# KiCad board ddr5-testboard.kicad_pcb (continued)
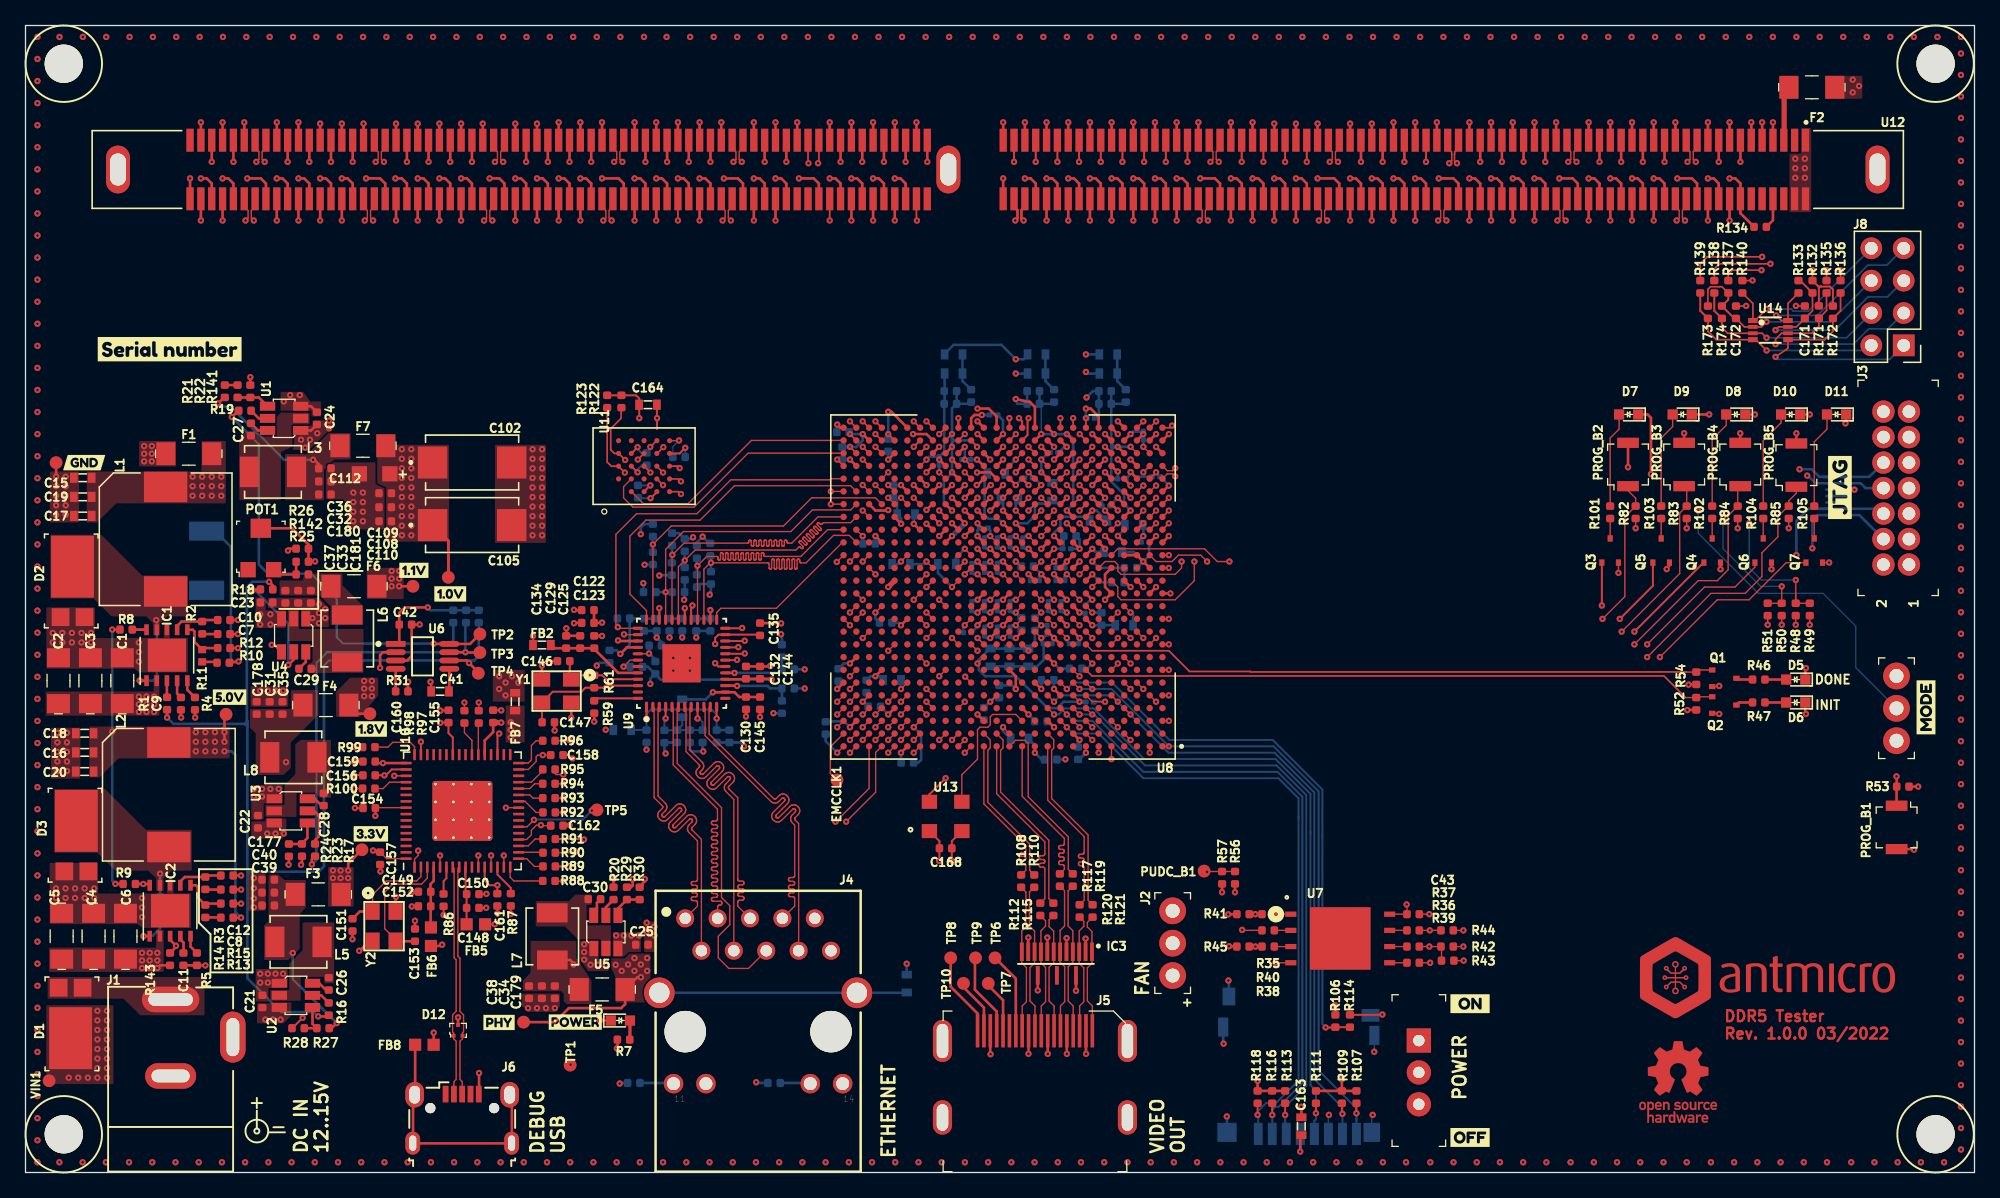
[diagram p0: board, top side]
## Routing (per net, layer and track width the routed paths; a pad name or vN(x,y) marks a point on that pad's centre or on a via; arc(x,y) is an arc through that point) (continued)
DQS7_B_P: length 73.2
  Top w0.1: v1(26.6,74.7) 26.8,74.9 26.8,75.48 26.5,75.78 U12.272
  Top w0.11: U8.T24 v1(65.64,47.94)
  In9.Cu w0.102: v1(65.64,47.94) 65.25,47.55 65.25,47.09 64.8,46.64 63.95,46.64 52.45,58.14 42.7,58.14 34.74,66.1 34.72,66.11 34.7,66.12 34.68,66.13 34.66,66.13 34.64,66.12 34.61,66.11 34.6,66.1 34.47,65.97 34.42,65.93 34.35,65.9 34.29,65.88 34.22,65.88 34.15,65.9 34.09,65.93 34.03,65.97 34.01,66 33.96,66.05 33.93,66.12 33.92,66.18 33.92,66.25 33.93,66.32 33.96,66.38 34.01,66.44 34.55,66.98 34.56,67 34.57,67.02 34.58,67.04 34.58,67.06 34.57,67.09 34.56,67.11 34.55,67.12 34.53,67.14 34.51,67.15 34.49,67.15 34.47,67.15 34.45,67.15 34.42,67.14 34.41,67.12 33.86,66.58 33.81,66.54 33.75,66.51 33.68,66.49 33.61,66.49 33.54,66.51 33.48,66.54 33.43,66.58 33.4,66.61 33.36,66.66 33.33,66.72 33.31,66.79 33.31,66.86 33.33,66.93 33.36,66.99 33.4,67.04 33.94,67.59 33.96,67.6 33.97,67.63 33.97,67.65 33.97,67.67 33.97,67.69 33.96,67.71 33.94,67.73 33.93,67.74 33.91,67.75 33.88,67.76 33.86,67.76 33.84,67.75 33.82,67.74 33.8,67.73 33.26,67.19 33.2,67.14 33.14,67.11 33.07,67.1 33,67.1 32.94,67.11 32.87,67.14 32.82,67.19 32.79,67.21 32.75,67.27 32.72,67.33 32.7,67.4 32.7,67.47 32.72,67.53 32.75,67.6 32.79,67.65 33.34,68.19 33.35,68.21 33.36,68.23 33.37,68.25 33.37,68.28 33.36,68.3 33.35,68.32 33.34,68.34 33.32,68.35 33.3,68.36 33.28,68.37 33.25,68.37 33.23,68.36 33.21,68.35 33.19,68.34 32.65,67.79 32.59,67.75 32.53,67.72 32.47,67.71 32.4,67.71 32.33,67.72 32.27,67.75 32.21,67.79 32.19,67.82 32.14,67.87 32.11,67.94 32.1,68 32.1,68.07 32.11,68.14 32.14,68.2 32.19,68.26 32.73,68.8 32.74,68.82 32.75,68.84 32.76,68.86 32.76,68.88 32.75,68.91 32.74,68.93 32.73,68.94 32.71,68.96 32.69,68.97 32.67,68.97 32.65,68.97 32.62,68.97 32.6,68.96 32.59,68.94 32.04,68.4 31.99,68.36 31.93,68.33 31.86,68.31 31.79,68.31 31.72,68.33 31.66,68.36 31.61,68.4 31.58,68.43 31.54,68.48 31.51,68.54 31.49,68.61 31.49,68.68 31.51,68.75 31.54,68.81 31.58,68.86 32.12,69.41 32.14,69.43 32.15,69.45 32.15,69.47 32.15,69.49 32.15,69.51 32.14,69.53 32.12,69.55 32.1,69.57 32.08,69.58 32.06,69.58 32.04,69.58 32.02,69.58 32,69.57 31.98,69.55 31.43,69.01 31.38,68.96 31.32,68.93 31.25,68.92 31.18,68.92 31.11,68.93 31.05,68.96 31,69.01 30.97,69.03 30.93,69.09 30.9,69.15 30.88,69.22 30.88,69.29 30.9,69.35 30.93,69.42 30.97,69.47 31.52,70.02 31.53,70.03 31.54,70.05 31.54,70.08 31.54,70.1 31.54,70.12 31.53,70.14 31.52,70.16 31.5,70.17 31.48,70.18 31.45,70.19 31.43,70.19 31.41,70.18 31.39,70.17 31.37,70.16 30.83,69.61 30.77,69.57 30.71,69.54 30.64,69.53 30.57,69.53 30.51,69.54 30.45,69.57 30.39,69.61 30.36,69.64 30.32,69.7 30.29,69.76 30.28,69.83 30.28,69.89 30.29,69.96 30.32,70.02 30.36,70.08 30.91,70.62 30.92,70.64 30.93,70.66 30.94,70.68 30.94,70.71 30.93,70.73 30.92,70.75 30.91,70.77 30.89,70.78 30.87,70.79 30.85,70.8 30.83,70.8 30.8,70.79 30.78,70.78 30.76,70.77 30.22,70.22 30.17,70.18 30.1,70.15 30.04,70.13 29.97,70.13 29.9,70.15 29.84,70.18 29.78,70.22 29.76,70.25 29.71,70.3 29.68,70.37 29.67,70.43 29.67,70.5 29.68,70.57 29.71,70.63 29.76,70.69 30.3,71.23 30.32,71.25 30.33,71.27 30.33,71.29 30.33,71.31 30.33,71.33 30.32,71.36 30.3,71.37 30.28,71.39 30.26,71.4 30.24,71.4 30.22,71.4 30.2,71.4 30.18,71.39 30.16,71.37 29.61,70.83 29.56,70.79 29.5,70.76 29.43,70.74 29.36,70.74 29.29,70.76 29.23,70.79 29.18,70.83 29.15,70.86 29.11,70.91 29.08,70.97 29.06,71.04 29.06,71.11 29.08,71.18 29.11,71.24 29.15,71.29 29.69,71.84 29.71,71.85 29.72,71.87 29.72,71.9 29.72,71.92 29.72,71.94 29.71,71.96 29.69,71.98 29.68,71.99 29.66,72 29.63,72.01 29.61,72.01 29.59,72 29.57,71.99 29.55,71.98 29.01,71.44 28.95,71.39 28.89,71.36 28.82,71.35 28.75,71.35 28.69,71.36 28.62,71.39 28.57,71.44 28.54,71.46 28.5,71.52 28.47,71.58 28.45,71.65 28.45,71.72 28.47,71.78 28.5,71.85 28.54,71.9 28.67,72.03 28.68,72.04 28.69,72.06 28.7,72.09 28.7,72.11 28.69,72.13 28.68,72.15 28.67,72.17 26.81,74.03 26.81,74.49 v1(26.6,74.7)
DQS8_A_N: length 53.5
  Top w0.1: v1(102.05,74.7) 101.85,74.9 101.85,75.48 102.15,75.78 U12.189
  Top w0.11: U8.J16 v1(74.64,40.94)
  In9.Cu w0.102: v1(102.05,74.7) 101.84,74.49 101.84,60.43 85.61,44.2 85.61,42.25 84.55,41.19 75.35,41.19 75.21,41.33 75.02,41.33 v1(74.64,40.94)
DQS8_A_P: length 53.5
  Top w0.1: v1(101.4,74.7) 101.6,74.9 101.6,75.48 101.3,75.78 U12.190
  Top w0.11: U8.J15 v1(74.64,41.94)
  In9.Cu w0.102: v1(101.4,74.7) 101.61,74.49 101.61,60.52 95.33,54.24 95.31,54.23 95.29,54.22 95.27,54.21 95.25,54.21 95.23,54.22 95.21,54.23 95.19,54.24 95.14,54.29 95.12,54.31 95.1,54.32 95.08,54.32 95.05,54.32 95.03,54.32 95.01,54.31 94.99,54.29 94.98,54.28 94.97,54.25 94.97,54.23 94.97,54.21 94.97,54.19 94.98,54.17 94.99,54.15 95.05,54.1 95.06,54.08 95.07,54.06 95.07,54.04 95.07,54.02 95.07,53.99 95.06,53.97 95.05,53.95 85.39,44.3 85.39,42.35 84.45,41.41 75.45,41.41 75.31,41.55 75.02,41.55 v1(74.64,41.94)
DQS8_B_N: length 77.3
  Top w0.1: v1(17.9,74.7) 17.7,74.9 17.7,75.48 18,75.78 U12.282
  Top w0.11: U8.L25 v1(65.64,43.94)
  In9.Cu w0.102: v1(65.64,43.94) 65.25,44.33 65.25,44.66 53.8,56.11 42.8,56.11 25.8,73.11 24.88,73.11 24.81,73.11 24.74,73.08 24.69,73.05 24.64,73 24.6,72.94 24.58,72.87 24.57,72.8 24.57,72.6 24.57,72.58 24.56,72.56 24.55,72.54 24.53,72.52 24.51,72.51 24.49,72.5 24.47,72.5 24.44,72.5 24.42,72.51 24.4,72.52 24.39,72.54 24.38,72.56 24.37,72.58 24.37,72.6 24.37,73.41 24.36,73.48 24.34,73.55 24.3,73.61 24.25,73.66 24.19,73.69 24.13,73.72 24.06,73.72 24.02,73.72 23.95,73.72 23.89,73.69 23.83,73.66 23.78,73.61 23.74,73.55 23.72,73.48 23.71,73.41 23.71,72.6 23.71,72.58 23.7,72.56 23.69,72.54 23.67,72.52 23.65,72.51 23.63,72.5 23.61,72.5 23.59,72.5 23.56,72.51 23.55,72.52 23.53,72.54 23.52,72.56 23.51,72.58 23.51,72.6 23.51,73.41 23.5,73.48 23.48,73.55 23.44,73.61 23.39,73.66 23.33,73.69 23.27,73.72 23.2,73.72 23.16,73.72 23.09,73.72 23.03,73.69 22.97,73.66 22.92,73.61 22.88,73.55 22.86,73.48 22.85,73.41 22.85,72.6 22.85,72.58 22.84,72.56 22.83,72.54 22.81,72.52 22.79,72.51 22.77,72.5 22.75,72.5 22.73,72.5 22.71,72.51 22.69,72.52 22.67,72.54 22.66,72.56 22.65,72.58 22.65,72.6 22.65,73.41 22.64,73.48 22.62,73.55 22.58,73.61 22.53,73.66 22.47,73.69 22.41,73.72 22.34,73.72 22.3,73.72 22.23,73.72 22.17,73.69 22.11,73.66 22.06,73.61 22.02,73.55 22,73.48 21.99,73.41 21.99,72.6 21.99,72.58 21.98,72.56 21.97,72.54 21.96,72.52 21.94,72.51 21.91,72.5 21.89,72.5 21.87,72.5 21.85,72.51 21.83,72.52 21.81,72.54 21.8,72.56 21.79,72.58 21.79,72.6 21.79,73.41 21.78,73.48 21.76,73.55 21.72,73.61 21.67,73.66 21.62,73.69 21.55,73.72 21.48,73.72 21.44,73.72 21.37,73.72 21.31,73.69 21.25,73.66 21.2,73.61 21.17,73.55 21.14,73.48 21.13,73.41 21.13,72.6 21.13,72.58 21.12,72.56 21.11,72.54 21.1,72.52 21.08,72.51 21.06,72.5 21.03,72.5 21.01,72.5 20.99,72.51 20.97,72.52 20.95,72.54 20.94,72.56 20.93,72.58 20.93,72.6 20.93,73.41 20.92,73.48 20.9,73.55 20.86,73.61 20.82,73.66 20.76,73.69 20.69,73.72 20.62,73.72 20.59,73.72 20.52,73.72 20.45,73.69 20.39,73.66 20.34,73.61 20.31,73.55 20.28,73.48 20.28,73.41 20.28,72.6 20.27,72.58 20.27,72.56 20.25,72.54 20.24,72.52 20.22,72.51 20.2,72.5 20.17,72.5 20.15,72.5 20.13,72.51 20.11,72.52 20.1,72.54 20.08,72.56 20.08,72.58 20.07,72.6 20.07,73.41 20.07,73.48 20.04,73.55 20.01,73.61 19.96,73.66 19.9,73.69 19.83,73.72 19.76,73.72 19.73,73.72 19.66,73.72 19.59,73.69 19.53,73.66 19.49,73.61 19.45,73.55 19.43,73.48 19.42,73.41 19.42,72.6 19.42,72.58 19.41,72.56 19.4,72.54 19.38,72.52 19.36,72.51 19.34,72.5 19.32,72.5 19.29,72.5 19.27,72.51 19.25,72.52 19.24,72.54 19.22,72.56 19.22,72.58 19.21,72.6 19.21,72.8 19.21,72.87 19.18,72.94 19.15,73 19.1,73.05 19.04,73.08 18.97,73.11 18.91,73.11 18.8,73.11 17.69,74.22 17.69,74.49 v1(17.9,74.7)
DQS8_B_P: length 77.3
  Top w0.1: v1(17.25,74.7) 17.45,74.9 17.45,75.48 17.15,75.78 U12.283
  Top w0.11: U8.M25 v1(64.64,43.94)
  In9.Cu w0.102: v1(64.64,43.94) 65.02,44.33 65.02,44.57 53.7,55.89 42.7,55.89 25.7,72.89 24.9,72.89 24.87,72.88 24.85,72.88 24.83,72.86 24.82,72.85 24.81,72.83 24.8,72.81 24.8,72.79 24.8,72.59 24.79,72.52 24.76,72.45 24.73,72.39 24.68,72.34 24.62,72.31 24.55,72.28 24.49,72.28 24.45,72.28 24.38,72.28 24.31,72.31 24.26,72.34 24.21,72.39 24.17,72.45 24.15,72.52 24.14,72.59 24.14,73.4 24.14,73.42 24.13,73.44 24.12,73.46 24.1,73.48 24.08,73.49 24.06,73.5 24.04,73.5 24.02,73.5 23.99,73.49 23.97,73.48 23.96,73.46 23.95,73.44 23.94,73.42 23.94,73.4 23.94,72.59 23.93,72.52 23.91,72.45 23.87,72.39 23.82,72.34 23.76,72.31 23.7,72.28 23.63,72.28 23.59,72.28 23.52,72.28 23.46,72.31 23.4,72.34 23.35,72.39 23.31,72.45 23.29,72.52 23.28,72.59 23.28,73.4 23.28,73.42 23.27,73.44 23.26,73.46 23.24,73.48 23.22,73.49 23.2,73.5 23.18,73.5 23.16,73.5 23.14,73.49 23.12,73.48 23.1,73.46 23.09,73.44 23.08,73.42 23.08,73.4 23.08,72.59 23.07,72.52 23.05,72.45 23.01,72.39 22.96,72.34 22.9,72.31 22.84,72.28 22.77,72.28 22.73,72.28 22.66,72.28 22.6,72.31 22.54,72.34 22.49,72.39 22.45,72.45 22.43,72.52 22.42,72.59 22.42,73.4 22.42,73.42 22.41,73.44 22.4,73.46 22.38,73.48 22.37,73.49 22.34,73.5 22.32,73.5 22.3,73.5 22.28,73.49 22.26,73.48 22.24,73.46 22.23,73.44 22.22,73.42 22.22,73.4 22.22,72.59 22.21,72.52 22.19,72.45 22.15,72.39 22.1,72.34 22.04,72.31 21.98,72.28 21.91,72.28 21.87,72.28 21.8,72.28 21.74,72.31 21.68,72.34 21.63,72.39 21.59,72.45 21.57,72.52 21.56,72.59 21.56,73.4 21.56,73.42 21.55,73.44 21.54,73.46 21.53,73.48 21.51,73.49 21.49,73.5 21.46,73.5 21.44,73.5 21.42,73.49 21.4,73.48 21.38,73.46 21.37,73.44 21.36,73.42 21.36,73.4 21.36,72.59 21.35,72.52 21.33,72.45 21.29,72.39 21.24,72.34 21.19,72.31 21.12,72.28 21.05,72.28 21.01,72.28 20.95,72.28 20.88,72.31 20.82,72.34 20.77,72.39 20.74,72.45 20.71,72.52 20.71,72.59 20.71,73.4 20.7,73.42 20.7,73.44 20.68,73.46 20.67,73.48 20.65,73.49 20.63,73.5 20.6,73.5 20.58,73.5 20.56,73.49 20.54,73.48 20.52,73.46 20.51,73.44 20.5,73.42 20.5,73.4 20.5,72.59 20.49,72.52 20.47,72.45 20.44,72.39 20.39,72.34 20.33,72.31 20.26,72.28 20.19,72.28 20.16,72.28 20.09,72.28 20.02,72.31 19.96,72.34 19.91,72.39 19.88,72.45 19.85,72.52 19.85,72.59 19.85,73.4 19.84,73.42 19.84,73.44 19.82,73.46 19.81,73.48 19.79,73.49 19.77,73.5 19.75,73.5 19.72,73.5 19.7,73.49 19.68,73.48 19.67,73.46 19.65,73.44 19.65,73.42 19.64,73.4 19.64,72.59 19.64,72.52 19.61,72.45 19.58,72.39 19.53,72.34 19.47,72.31 19.4,72.28 19.34,72.28 19.3,72.28 19.23,72.28 19.16,72.31 19.1,72.34 19.06,72.39 19.02,72.45 19,72.52 18.99,72.59 18.99,72.79 18.99,72.81 18.98,72.83 18.97,72.85 18.95,72.86 18.93,72.88 18.91,72.88 18.89,72.89 18.7,72.89 17.46,74.13 17.46,74.49 v1(17.25,74.7)
DQS9_A_N: length 36.4
  Top w0.1: v1(92.7,74.7) 92.5,74.9 92.5,75.48 92.8,75.78 U12.200
  Top w0.11: U8.W9 v1(80.64,50.94)
  In9.Cu w0.102: v1(80.64,50.94) 81.43,50.15 81.85,50.15 81.87,50.15 81.89,50.14 81.91,50.13 81.93,50.11 81.94,50.09 81.95,50.07 81.95,50.05 81.95,49.99 81.95,49.97 81.96,49.95 81.97,49.93 81.99,49.91 82.01,49.9 82.03,49.9 82.05,49.89 82.08,49.9 82.1,49.9 82.12,49.91 82.13,49.93 82.14,49.95 82.15,49.97 82.15,49.99 82.15,50.05 82.16,50.07 82.16,50.09 82.18,50.11 82.19,50.13 82.21,50.14 82.23,50.15 82.26,50.15 83.64,50.15 83.87,50.38 84.38,50.89 87.55,50.89 92.49,55.83 92.49,74.49 v1(92.7,74.7)
DQS9_A_P: length 36.4
  Top w0.1: v1(92.05,74.7) 92.25,74.9 92.25,75.48 91.95,75.78 U12.201
  Top w0.11: U8.W10 v1(80.64,51.94)
  In9.Cu w0.102: v1(92.05,74.7) 92.26,74.49 92.26,55.92 87.45,51.11 84.28,51.11 83.55,50.38 81.52,50.38 81.05,50.85 81.05,51.12 80.64,51.53 v1(80.64,51.94)
DQS9_B_N: length 51.6
  Top w0.1: U12.94 55.4,80.38 55.7,80.09 55.7,79.5 v1(55.5,79.3)
  Top w0.2: v1(78.64,53.94) U8.AB12
  In9.Cu w0.1: 78.08,54.5 v1(78.64,53.94)
  In9.Cu w0.102: v1(55.5,79.3) 55.71,79.09 55.71,78.71 55.71,78.69 55.7,78.67 55.69,78.66 55.68,78.64 55.66,78.63 55.64,78.63 55.62,78.62 55.49,78.62 55.43,78.62 55.37,78.6 55.31,78.56 55.26,78.51 55.23,78.46 55.21,78.4 55.2,78.33 55.2,78.26 55.21,78.2 55.23,78.14 55.26,78.08 55.31,78.03 55.37,78 55.43,77.98 55.49,77.97 56.14,77.97 56.16,77.97 56.18,77.96 56.19,77.95 56.21,77.94 56.22,77.92 56.22,77.9 56.22,77.88 56.22,77.85 56.22,77.83 56.22,77.82 56.21,77.8 56.19,77.79 56.18,77.78 56.16,77.77 56.14,77.77 55.49,77.77 55.43,77.76 55.37,77.74 55.31,77.7 55.26,77.66 55.23,77.6 55.21,77.54 55.2,77.47 55.2,77.41 55.21,77.34 55.23,77.28 55.26,77.22 55.31,77.18 55.37,77.14 55.43,77.12 55.49,77.11 56.14,77.11 56.16,77.11 56.18,77.1 56.19,77.09 56.21,77.08 56.22,77.06 56.22,77.04 56.22,77.02 56.22,76.99 56.22,76.98 56.22,76.96 56.21,76.94 56.19,76.93 56.18,76.92 56.16,76.91 56.14,76.91 55.49,76.91 55.43,76.9 55.37,76.88 55.31,76.84 55.26,76.8 55.23,76.74 55.21,76.68 55.2,76.61 55.2,76.55 55.21,76.48 55.23,76.42 55.26,76.36 55.31,76.32 55.37,76.28 55.43,76.26 55.49,76.25 56.14,76.25 56.16,76.25 56.18,76.24 56.19,76.23 56.21,76.22 56.22,76.2 56.22,76.19 56.22,76.17 56.22,76.14 56.22,76.12 56.22,76.1 56.21,76.08 56.19,76.07 56.18,76.06 56.16,76.05 56.14,76.05 55.49,76.05 55.43,76.04 55.37,76.02 55.31,75.99 55.26,75.94 55.23,75.88 55.21,75.82 55.2,75.75 55.2,75.69 55.21,75.62 55.23,75.56 55.26,75.51 55.31,75.46 55.37,75.42 55.43,75.4 55.49,75.39 56.14,75.39 56.16,75.39 56.18,75.39 56.19,75.38 56.21,75.36 56.22,75.34 56.22,75.33 56.22,75.31 56.22,75.28 56.22,75.26 56.22,75.24 56.21,75.22 56.19,75.21 56.18,75.2 56.16,75.19 56.14,75.19 55.49,75.19 55.43,75.18 55.37,75.16 55.31,75.13 55.26,75.08 55.23,75.02 55.21,74.96 55.2,74.9 55.2,74.83 55.21,74.76 55.23,74.7 55.26,74.65 55.31,74.6 55.37,74.56 55.43,74.54 55.49,74.54 55.62,74.54 55.64,74.53 55.66,74.53 55.68,74.52 55.69,74.5 55.7,74.49 55.71,74.47 55.71,74.45 55.71,73.88 56.05,73.55 56.06,73.53 56.07,73.51 56.07,73.48 56.07,73.46 56.07,73.44 56.06,73.42 56.05,73.4 55.92,73.28 55.88,73.22 55.85,73.16 55.83,73.09 55.83,73.03 55.85,72.96 55.88,72.9 55.92,72.84 55.95,72.81 56,72.77 56.07,72.74 56.13,72.73 56.2,72.73 56.27,72.74 56.33,72.77 56.39,72.81 56.92,73.35 56.94,73.37 56.96,73.38 56.98,73.38 57,73.38 57.03,73.38 57.05,73.37 57.07,73.35 57.08,73.33 57.09,73.31 57.09,73.29 57.09,73.27 57.09,73.25 57.08,73.23 57.07,73.21 56.53,72.67 56.49,72.62 56.46,72.55 56.44,72.49 56.44,72.42 56.46,72.35 56.49,72.29 56.53,72.23 56.56,72.21 56.61,72.16 56.67,72.13 56.74,72.12 56.81,72.12 56.88,72.13 56.94,72.16 56.99,72.21 57.53,72.74 57.55,72.76 57.57,72.77 57.59,72.77 57.61,72.77 57.63,72.77 57.65,72.76 57.67,72.74 57.69,72.73 57.7,72.71 57.7,72.68 57.7,72.66 57.7,72.64 57.69,72.62 57.67,72.6 57.55,72.48 57.51,72.42 57.48,72.36 57.46,72.29 57.46,72.22 57.48,72.16 57.51,72.09 57.55,72.04 60.84,68.75 63.97,68.75 75.67,57.05 75.67,55.39 76.56,54.5 78.08,54.5
DQS9_B_P: length 51.6
  Top w0.1: U12.93 56.25,80.38 55.95,80.09 55.95,79.5 v1(56.15,79.3)
  Top w0.2: v1(77.64,54.94) U8.AC12
  In9.Cu w0.1: v1(77.64,54.94) 77.45,54.75
  In9.Cu w0.102: 77.45,54.75 77.25,54.75 77.23,54.75 77.21,54.76 77.19,54.77 77.17,54.79 77.16,54.81 77.15,54.83 77.15,54.85 77.15,54.95 77.15,54.97 77.14,54.99 77.13,55.01 77.11,55.03 77.09,55.04 77.07,55.05 77.05,55.05 77.02,55.05 77,55.04 76.98,55.03 76.97,55.01 76.96,54.99 76.95,54.97 76.95,54.95 76.95,54.85 76.94,54.83 76.94,54.81 76.92,54.79 76.91,54.77 76.89,54.76 76.87,54.75 76.84,54.75 76.63,54.75 76.44,54.94 76.43,54.96 76.42,54.98 76.41,55 76.41,55.02 76.42,55.05 76.43,55.07 76.44,55.08 76.51,55.15 76.52,55.17 76.53,55.19 76.54,55.21 76.54,55.24 76.53,55.26 76.52,55.28 76.51,55.3 76.49,55.31 76.47,55.32 76.45,55.32 76.43,55.32 76.4,55.32 76.38,55.31 76.36,55.3 76.3,55.23 76.28,55.21 76.26,55.2 76.24,55.2 76.21,55.2 76.19,55.2 76.17,55.21 76.15,55.23 75.89,55.49 75.89,55.89 75.9,55.92 75.9,55.94 75.92,55.96 75.93,55.97 75.95,55.98 75.97,55.99 75.99,55.99 76.05,55.99 76.07,56 76.1,56 76.11,56.02 76.13,56.03 76.14,56.05 76.15,56.07 76.15,56.1 76.15,56.12 76.14,56.14 76.13,56.16 76.11,56.18 76.1,56.19 76.07,56.2 76.05,56.2 75.99,56.2 75.97,56.2 75.95,56.21 75.93,56.22 75.92,56.24 75.9,56.26 75.9,56.28 75.89,56.3 75.9,56.32 75.9,56.34 75.92,56.36 75.93,56.38 75.95,56.39 75.97,56.4 75.99,56.4 76.05,56.4 76.07,56.4 76.1,56.41 76.11,56.42 76.13,56.44 76.14,56.46 76.15,56.48 76.15,56.5 76.15,56.53 76.14,56.55 76.13,56.57 76.11,56.58 76.1,56.59 76.07,56.6 76.05,56.6 75.99,56.6 75.97,56.61 75.95,56.61 75.93,56.63 75.92,56.64 75.9,56.66 75.9,56.68 75.89,56.71 75.89,57.15 64.07,68.97 60.94,68.97 57.72,72.19 57.71,72.21 57.7,72.23 57.69,72.25 57.69,72.27 57.7,72.29 57.71,72.31 57.72,72.33 57.85,72.45 57.89,72.51 57.92,72.57 57.93,72.64 57.93,72.71 57.92,72.77 57.89,72.84 57.85,72.89 57.82,72.92 57.76,72.96 57.7,72.99 57.64,73.01 57.57,73.01 57.5,72.99 57.44,72.96 57.38,72.92 56.85,72.38 56.83,72.37 56.81,72.36 56.79,72.35 56.76,72.35 56.74,72.36 56.72,72.37 56.7,72.38 56.69,72.4 56.68,72.42 56.67,72.44 56.67,72.46 56.68,72.49 56.69,72.51 56.7,72.52 57.24,73.06 57.28,73.12 57.31,73.18 57.33,73.24 57.33,73.31 57.31,73.38 57.28,73.44 57.24,73.5 57.21,73.52 57.16,73.57 57.1,73.6 57.03,73.61 56.96,73.61 56.89,73.6 56.83,73.57 56.78,73.52 56.24,72.99 56.22,72.97 56.2,72.96 56.18,72.96 56.16,72.96 56.13,72.96 56.11,72.97 56.1,72.99 56.08,73.01 56.07,73.03 56.07,73.05 56.07,73.07 56.07,73.09 56.08,73.11 56.1,73.13 56.22,73.25 56.26,73.31 56.29,73.37 56.31,73.44 56.31,73.51 56.29,73.58 56.26,73.64 56.22,73.69 55.94,73.97 55.94,74.47 55.93,74.53 55.91,74.59 55.87,74.65 55.83,74.7 55.77,74.73 55.71,74.75 55.64,74.76 55.51,74.76 55.49,74.76 55.47,74.77 55.46,74.78 55.44,74.79 55.43,74.81 55.43,74.83 55.43,74.85 55.43,74.88 55.43,74.9 55.43,74.92 55.44,74.93 55.46,74.95 55.47,74.96 55.49,74.96 55.51,74.96 56.16,74.96 56.22,74.97 56.28,74.99 56.34,75.03 56.39,75.08 56.42,75.13 56.44,75.19 56.45,75.26 56.45,75.33 56.44,75.39 56.42,75.45 56.39,75.51 56.34,75.56 56.28,75.59 56.22,75.61 56.16,75.62 55.51,75.62 55.49,75.62 55.47,75.63 55.46,75.64 55.44,75.65 55.43,75.67 55.43,75.69 55.43,75.71 55.43,75.74 55.43,75.76 55.43,75.77 55.44,75.79 55.46,75.8 55.47,75.81 55.49,75.82 55.51,75.82 56.16,75.82 56.22,75.83 56.28,75.85 56.34,75.89 56.39,75.93 56.42,75.99 56.44,76.05 56.45,76.12 56.45,76.18 56.44,76.25 56.42,76.31 56.39,76.37 56.34,76.41 56.28,76.45 56.22,76.47 56.16,76.48 55.51,76.48 55.49,76.48 55.47,76.49 55.46,76.5 55.44,76.51 55.43,76.53 55.43,76.55 55.43,76.57 55.43,76.59 55.43,76.61 55.43,76.63 55.44,76.65 55.46,76.66 55.47,76.67 55.49,76.68 55.51,76.68 56.16,76.68 56.22,76.69 56.28,76.71 56.34,76.75 56.39,76.79 56.42,76.85 56.44,76.91 56.45,76.98 56.45,77.04 56.44,77.11 56.42,77.17 56.39,77.23 56.34,77.27 56.28,77.31 56.22,77.33 56.16,77.34 55.51,77.34 55.49,77.34 55.47,77.35 55.46,77.36 55.44,77.37 55.43,77.39 55.43,77.4 55.43,77.42 55.43,77.45 55.43,77.47 55.43,77.49 55.44,77.51 55.46,77.52 55.47,77.53 55.49,77.54 55.51,77.54 56.16,77.54 56.22,77.55 56.28,77.57 56.34,77.6 56.39,77.65 56.42,77.71 56.44,77.77 56.45,77.84 56.45,77.9 56.44,77.97 56.42,78.03 56.39,78.08 56.34,78.13 56.28,78.17 56.22,78.19 56.16,78.2 55.51,78.2 55.49,78.2 55.47,78.2 55.46,78.21 55.44,78.23 55.43,78.24 55.43,78.26 55.43,78.28 55.43,78.31 55.43,78.33 55.43,78.35 55.44,78.37 55.46,78.38 55.47,78.39 55.49,78.4 55.51,78.4 55.64,78.4 55.71,78.41 55.77,78.43 55.83,78.46 55.87,78.51 55.91,78.57 55.93,78.63 55.94,78.69 55.94,79.09 v1(56.15,79.3)
EMCCLK: length 4.3
  Top w0.11: EMCCLK1.1 63.1,31.32 63.1,33.4 U8.B26
ETH_INT_N: length 34.1
  Top w0.1: U9.38 47.01,42.2 ; U8.Y20 v4(69.64,52.94)
  In2.Cu w0.1: v1(46.92,42.23) 48.09,43.4 52.39,43.4 54.64,45.64 54.64,50.69 59.14,55.19 68.05,55.19 69.14,54.11 69.14,53.44 v4(69.64,52.94)
ETH_MDC: length 26.7
  Top w0.1: U9.36 48.69,44.09 47.39,45.39 47.39,49.94 48.64,51.19 52.89,51.19 55.59,53.89 64.69,53.89 U8.AA25
ETH_MDIO: length 29.5
  Top w0.1: 47.79,42.7 U9.37 46.52,42.7 v1(46.44,42.79) 46.29,42.94 46.29,50.07 47.9,51.69 52.64,51.69 55.3,54.35 63.07,54.35 63.15,54.44 U8.AB26
  Bottom w0.1: R71.1 46.44,43.44 v1(46.44,42.79)
ETH_REF_CLK: length 30.1
  Top w0.1: v1(48.89,40.73) 48.69,40.73 48.66,40.7 U9.41 ; U8.AA23 v4(66.64,53.94)
  In2.Cu w0.1: v1(48.89,40.73) 49.6,41.44 52.89,41.44 55.64,44.19 55.64,49.94 60.14,54.44 66.14,54.44 v4(66.64,53.94)
  Bottom w0.2: R79.1 48.89,41.33 v1(48.89,40.73) 49.39,40.23 49.39,40.09
ETH_RSTN: length 33.8
  Top w0.1: U8.AA22 v4(67.64,53.94) ; v1(46.89,39.69) 47.4,40.2 U9.42
  In2.Cu w0.1: v4(67.64,53.94) 66.64,54.94 59.64,54.94 55.14,50.44 55.14,44.44 53.14,42.44 49.28,42.44 46.89,40.04 v1(46.89,39.69)
  Bottom w0.2: R72.1 46.9,39.68 v1(46.89,39.69)
ETH_RX_CLK: length 26.8
  Top w0.1: U9.35 v1(49.19,49.28) 49.19,49.29 50.63,50.73 59.43,50.73 61.64,52.94 66.64,52.94 U8.Y23
  Bottom w0.2: R67.1 R78.1
ETH_RX_DV: length 23.2
  Top w0.1: U8.Y25 64.69,51.99 61.7,51.99 60,50.29 51.58,50.29 50.19,48.9 U9.33
  Bottom w0.2: R66.1 v1(50.19,45.54) R77.1
ETH_RXD0: length 26.9
  Top w0.1: U8.W26 62.13,51.44 60.07,49.38 59.8,49.38 59.77,49.38 59.75,49.39 59.73,49.4 59.72,49.42 59.71,49.44 59.7,49.46 59.7,49.48 59.7,49.52 59.69,49.54 59.69,49.56 59.67,49.58 59.66,49.6 59.64,49.61 59.62,49.62 59.6,49.62 59.57,49.62 59.55,49.61 59.53,49.6 59.52,49.58 59.51,49.56 59.5,49.54 59.5,49.52 59.5,49.24 59.49,49.22 59.49,49.2 59.47,49.18 59.46,49.16 59.44,49.15 59.42,49.14 59.4,49.14 59.37,49.14 59.35,49.15 59.33,49.16 59.32,49.18 59.31,49.2 59.3,49.22 59.3,49.24 59.3,49.52 59.29,49.54 59.29,49.56 59.27,49.58 59.26,49.6 59.24,49.61 59.22,49.62 59.2,49.62 59.17,49.62 59.15,49.61 59.13,49.6 59.12,49.58 59.11,49.56 59.1,49.54 59.1,49.52 59.1,49.24 59.09,49.22 59.09,49.2 59.07,49.18 59.06,49.16 59.04,49.15 59.02,49.14 59,49.14 58.97,49.14 58.95,49.15 58.93,49.16 58.92,49.18 58.91,49.2 58.9,49.22 58.9,49.24 58.9,49.52 58.89,49.54 58.89,49.56 58.87,49.58 58.86,49.6 58.84,49.61 58.82,49.62 58.8,49.62 58.77,49.62 58.75,49.61 58.73,49.6 58.72,49.58 58.71,49.56 58.7,49.54 58.7,49.52 58.7,49.24 58.69,49.22 58.69,49.2 58.67,49.18 58.66,49.16 58.64,49.15 58.62,49.14 58.6,49.14 58.57,49.14 58.55,49.15 58.53,49.16 58.52,49.18 58.51,49.2 58.5,49.22 58.5,49.24 58.5,49.52 58.49,49.54 58.49,49.56 58.47,49.58 58.46,49.6 58.44,49.61 58.42,49.62 58.4,49.62 58.37,49.62 58.35,49.61 58.33,49.6 58.32,49.58 58.31,49.56 58.3,49.54 58.3,49.52 58.3,49.24 58.29,49.22 58.29,49.2 58.27,49.18 58.26,49.16 58.24,49.15 58.22,49.14 58.2,49.14 58.17,49.14 58.15,49.15 58.13,49.16 58.12,49.18 58.11,49.2 58.1,49.22 58.1,49.24 58.1,49.52 58.09,49.54 58.09,49.56 58.07,49.58 58.06,49.6 58.04,49.61 58.02,49.62 58,49.62 57.97,49.62 57.95,49.61 57.93,49.6 57.92,49.58 57.91,49.56 57.9,49.54 57.9,49.52 57.9,49.24 57.89,49.22 57.89,49.2 57.87,49.18 57.86,49.16 57.84,49.15 57.82,49.14 57.8,49.14 57.77,49.14 57.75,49.15 57.73,49.16 57.72,49.18 57.71,49.2 57.7,49.22 57.7,49.24 57.7,49.52 57.69,49.54 57.69,49.56 57.67,49.58 57.66,49.6 57.64,49.61 57.62,49.62 57.6,49.62 57.57,49.62 57.55,49.61 57.53,49.6 57.52,49.58 57.51,49.56 57.5,49.54 57.5,49.52 57.5,49.24 57.49,49.22 57.49,49.2 57.47,49.18 57.46,49.16 57.44,49.15 57.42,49.14 57.4,49.14 57.37,49.14 57.35,49.15 57.33,49.16 57.32,49.18 57.31,49.2 57.3,49.22 57.3,49.24 57.3,49.52 57.29,49.54 57.29,49.56 57.27,49.58 57.26,49.6 57.24,49.61 57.22,49.62 57.2,49.62 57.17,49.62 57.15,49.61 57.13,49.6 57.12,49.58 57.11,49.56 57.1,49.54 57.1,49.52 57.1,49.24 57.09,49.22 57.09,49.2 57.07,49.18 57.06,49.16 57.04,49.15 57.02,49.14 57,49.14 56.97,49.14 56.95,49.15 56.93,49.16 56.92,49.18 56.91,49.2 56.9,49.22 56.9,49.24 56.9,49.52 56.89,49.54 56.89,49.56 56.87,49.58 56.86,49.6 56.84,49.61 56.82,49.62 56.8,49.62 56.77,49.62 56.75,49.61 56.73,49.6 56.72,49.58 56.71,49.56 56.7,49.54 56.7,49.52 56.7,49.48 56.69,49.46 56.69,49.44 56.67,49.42 56.66,49.4 56.64,49.39 56.62,49.38 56.6,49.38 51.63,49.38 50.69,48.44 U9.32
  Bottom w0.2: R62.1 50.69,48.53 ; v1(50.71,48.46) 50.67,48.42 R73.1
ETH_RXD1: length 26.8
  Top w0.1: U8.W25 64.69,50.99 62.55,50.99 62.45,50.89 62.43,50.88 62.41,50.87 62.39,50.86 62.36,50.86 62.34,50.87 62.32,50.88 62.3,50.89 62.24,50.95 62.22,50.97 62.2,50.98 62.18,50.98 62.16,50.98 62.14,50.98 62.12,50.97 62.1,50.95 62.09,50.94 62.08,50.92 62.07,50.89 62.07,50.87 62.08,50.85 62.09,50.83 62.1,50.81 62.37,50.54 62.38,50.53 62.39,50.51 62.4,50.48 62.4,50.46 62.39,50.44 62.38,50.42 62.37,50.4 62.35,50.39 62.33,50.38 62.31,50.37 62.29,50.37 62.27,50.38 62.25,50.39 62.23,50.4 61.96,50.67 61.94,50.69 61.92,50.7 61.9,50.7 61.88,50.7 61.85,50.7 61.83,50.69 61.82,50.67 61.8,50.65 61.79,50.63 61.79,50.61 61.79,50.59 61.79,50.57 61.8,50.55 61.82,50.53 62.09,50.26 62.1,50.24 62.11,50.22 62.12,50.2 62.12,50.18 62.11,50.16 62.1,50.14 62.09,50.12 62.07,50.1 62.05,50.09 62.03,50.09 62,50.09 61.98,50.09 61.96,50.1 61.94,50.12 61.67,50.39 61.66,50.4 61.64,50.41 61.62,50.42 61.59,50.42 61.57,50.41 61.55,50.4 61.53,50.39 61.52,50.37 61.51,50.35 61.5,50.33 61.5,50.31 61.51,50.28 61.52,50.26 61.53,50.25 61.8,49.98 61.82,49.96 61.83,49.94 61.83,49.92 61.83,49.9 61.83,49.87 61.82,49.85 61.8,49.84 61.79,49.82 61.77,49.81 61.74,49.81 61.72,49.81 61.7,49.81 61.68,49.82 61.66,49.84 61.39,50.11 61.37,50.12 61.35,50.13 61.33,50.13 61.31,50.13 61.29,50.13 61.27,50.12 61.25,50.11 61.24,50.09 61.23,50.07 61.22,50.05 61.22,50.02 61.23,50 61.24,49.98 61.25,49.96 61.52,49.69 61.53,49.68 61.54,49.66 61.55,49.63 61.55,49.61 61.54,49.59 61.53,49.57 61.52,49.55 61.5,49.54 61.48,49.53 61.46,49.52 61.44,49.52 61.42,49.53 61.4,49.54 61.38,49.55 61.11,49.82 61.09,49.84 61.07,49.85 61.05,49.85 61.03,49.85 61.01,49.85 60.99,49.84 60.97,49.82 60.95,49.81 60.94,49.79 60.94,49.76 60.94,49.74 60.94,49.72 60.95,49.7 60.97,49.68 61.24,49.41 61.25,49.39 61.26,49.37 61.27,49.35 61.27,49.33 61.26,49.31 61.25,49.29 61.24,49.27 61.22,49.26 61.2,49.25 61.18,49.24 61.16,49.24 61.13,49.25 61.11,49.26 61.1,49.27 60.83,49.54 60.81,49.55 60.79,49.56 60.77,49.57 60.74,49.57 60.72,49.56 60.7,49.55 60.68,49.54 60.67,49.52 60.66,49.5 60.66,49.48 60.66,49.46 60.66,49.44 60.67,49.42 60.68,49.4 60.96,49.13 60.97,49.11 60.98,49.09 60.98,49.07 60.98,49.05 60.98,49.02 60.97,49 60.96,48.99 60.94,48.97 60.92,48.96 60.9,48.96 60.87,48.96 60.85,48.96 60.83,48.97 60.81,48.99 60.75,49.05 60.73,49.07 60.71,49.08 60.69,49.08 60.67,49.08 60.65,49.08 60.63,49.07 60.61,49.05 60.4,48.84 52.5,48.84 51.19,47.53 U9.31
  Bottom w0.2: R74.1 v1(51.69,48.03) R63.1
